# Altium PCB iTOP4412_main_Clasics_v3_2.PcbDoc (part 1 of 7) (continued)
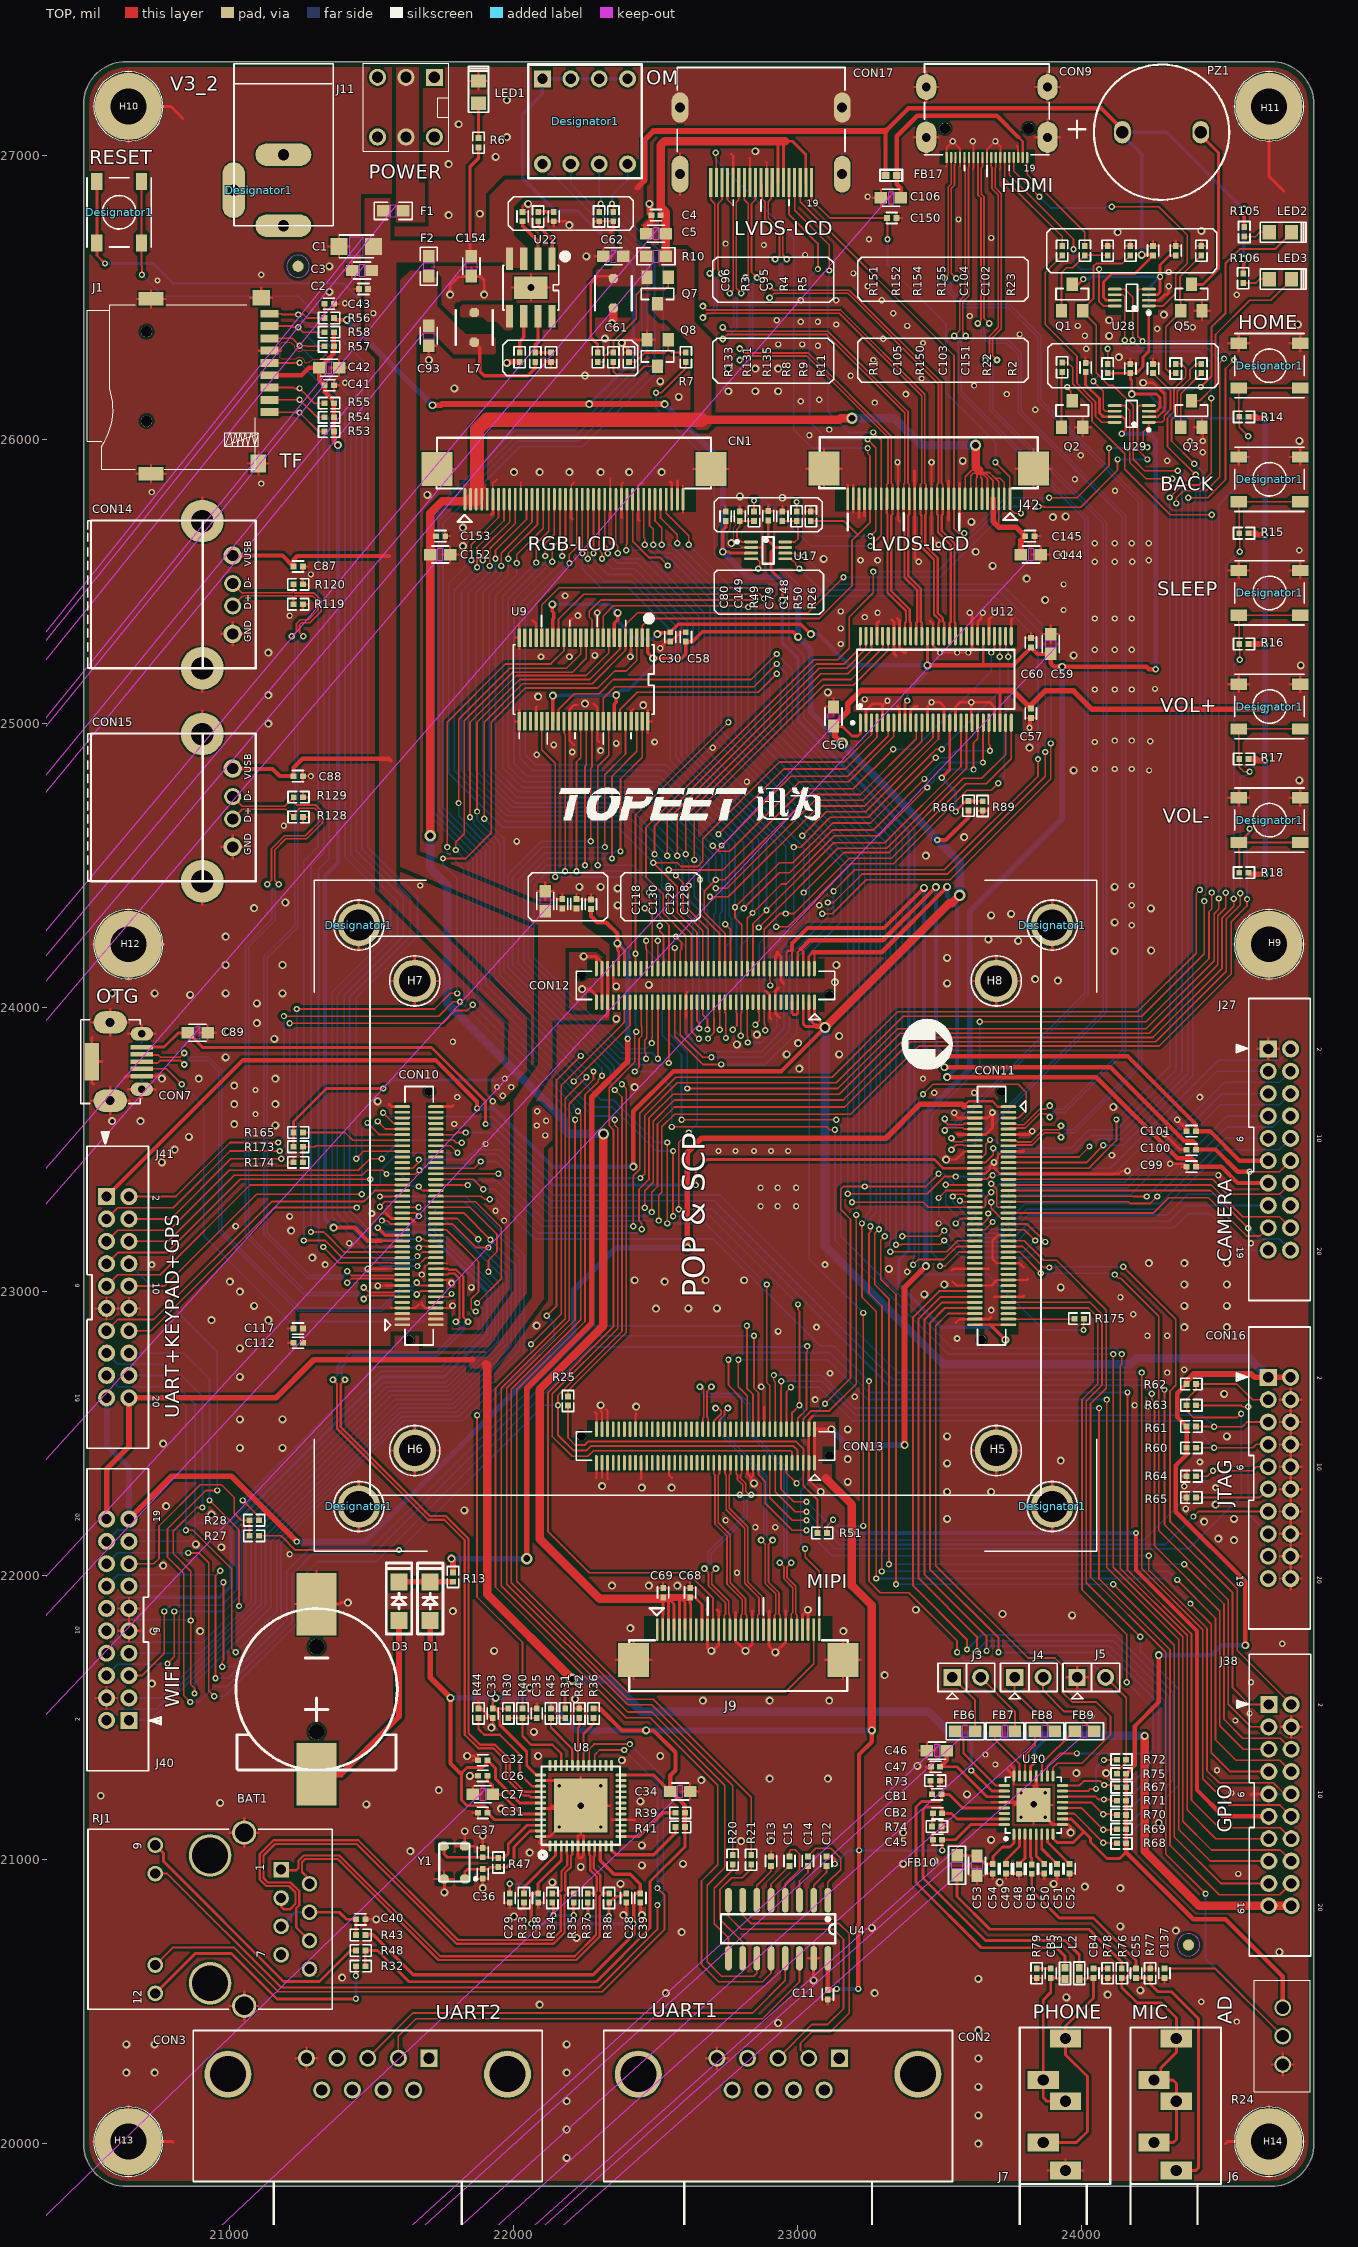
[diagram p0: TOP view]
## Components (designator, comment, footprint, x,y, rotation, side; value= is the part's Value field where it differs from the comment) (continued)
U4 "MAX3232EEAE_SOIC16_MAX3232CSE" SOIC16 22932.85,20755.57 r270 top
U8 "DM9621NP_1_QFN48-050-0707LH_DM9" QFN48-050-0707LH 22237.85,21190.57 r90 top
U9 "74ALVC164245DGG" TSSOP_48 22247.85,25155.57 r180 top
U10 "WM8960GEFL_0_QFN32-050-5X5LH_WM" QFN32-050-5X5LH 23831.63,21192.83 r90 top
U12 "U-SN75LVDS83BDGG_3_TSSOP56_GM82" TSSOP56 23487.85,25155.89 r0 top
U17 "TXS0102DCU_1_TSSOP8_TXS0102DCU" TSSOP8#1 22897.85,25610.57 r270 top
U22 "RT8065_3_SOIC8-LH_RT8065" SOIC8-LH 22062.85,26535.57 r180 top
U28 "TXS0102DCU_1_TSSOP8_TXS0102DCU" TSSOP8#2 24221.85,26483.82 r90 top
U29 "TXS0102DCU_1_TSSOP8_TXS0102DCU" TSSOP8#1 24177.85,26090.57 r90 top
Y1 "Y_24.576MHZ-5032_X4-2_5X3_2_25M" X4-2_5X3_2 21792.85,20990.57 r180 top

## Footprints (in the part's own frame and the unit in brackets; to place one, negate y for a bottom-side part, rotate by r counter-clockwise, add the part's x,y. Pads: shape width x height; smd on the part's side, far side on the other; paste and mask are expansions set on the pad)
A4B-2PA-2_54DSA [mil] "A4B-2PA-2_54DSA"
  rect 60x60 / inner round 60 / far side rect 60x60 hole 36: 1(-0.01,50)
  round 60 hole 36: 2(-0.01,-50)
  silkscreen extent -75,-100 50,100
BAT1 [mil] "BAT1"
  rect 220x140 smd: 1(300,0) 2(-300,0)
  round 55 / inner round 60 / far side round 55 hole 55: " "(-150,0) " "(150,0)
  silkscreen extent -284,-284 284,284
BMKG4 [mil] "BMKG4"
  round 60 hole 36: 1(-150,-150) 2(-50,-150) 3(50,-150) 4(150,-150) 5(150,150) 6(50,150) 7(-50,150)
  rect 60x60 / inner round 60 / far side rect 60x60 hole 36: 8(-150,150)
  silkscreen extent -200,-200 200,200
C0402#1 [mil] "C0402"
  rect 21x20 smd: 1(-16.5,0) 2(16.5,0)
  silkscreen extent -20,-20 20,20
C0402#2 [mil] "C0402"
  rect 21x20 smd: 1(-17.9,-2.5) 2(15.1,-2.5)
  silkscreen extent -21,-22 18,17
C0603#1 [mil] "C0603"
  rect 44x40 smd: 1(-35,0) 2(35,0)
  TOP keep-out region: -10,-20 10,-20 10,20 -10,20 -10,-20 21467.85,26595.57
  silkscreen extent -30,-30 30,30
C0603#2 [mil] "C0603"
  rect 44x40 smd: 1(-35,0) 2(35,0)
  TOP keep-out region: -10,-20 10,-20 10,20 -10,20 -10,-20 22502.85,26725.57
  silkscreen extent -30,-30 30,30
C0603#3 [mil] "C0603"
  rect 44x40 smd: 1(-35,0) 2(35,0)
  TOP keep-out region: -10,-20 10,-20 10,20 -10,20 -10,-20 21892.85,21230.57
  silkscreen extent -30,-30 30,30
C0603#4 [mil] "C0603"
  rect 44x40 smd: 1(-35,0) 2(35,0)
  TOP keep-out region: -10,-20 10,-20 10,20 -10,20 -10,-20 -22587.85,-21240.57
  silkscreen extent -30,-30 30,30
C0603#5 [mil] "C0603"
  rect 44x40 smd: 1(-35,0) 2(35,0)
  TOP keep-out region: -10,-20 10,-20 10,20 -10,20 -10,-20 23491.85,21384.57
  silkscreen extent -30,-30 30,30
C0603#6 [mil] "C0603"
  rect 44x40 smd: 1(-35,0) 2(35,0)
  TOP keep-out region: -10,-20 10,-20 10,20 -10,20 -10,-20 20979.57,-23632.85
  silkscreen extent -30,-30 30,30
C0603#7 [mil] "C0603"
  rect 44x40 smd: 1(-35,0) 2(35,0)
  TOP keep-out region: -10,-20 10,-20 10,20 -10,20 -10,-20 22352.85,26645.57
  silkscreen extent -30,-30 30,30
C0603#8 [mil] "C0603"
  rect 44x40 smd: 1(-35,0) 2(35,0)
  TOP keep-out region: -10,-20 10,-20 10,20 -10,20 -10,-20 20888.85,23911.57
  silkscreen extent -30,-30 30,30
C0603#9 [mil] "C0603"
  rect 44x40 smd: 1(-35,0) 2(35,0)
  TOP keep-out region: -10,-20 10,-20 10,20 -10,20 -10,-20 26365.57,-21702.85
  silkscreen extent -30,-30 30,30
C0603#10 [mil] "C0603"
  rect 44x40 smd: 1(-35,0) 2(35,0)
  TOP keep-out region: -10,-20 10,-20 10,20 -10,20 -10,-20 23329.85,26851.57
  silkscreen extent -30,-30 30,30
C0603#11 [mil] "C0603"
  rect 44x40 smd: 1(-35,0) 2(35,0)
  TOP keep-out region: -10,-20 10,-20 10,20 -10,20 -10,-20 26610.57,-21852.85
  silkscreen extent -30,-30 30,30
C1206 [mil] "C1206"
  rect 60x60 smd: 1(-60.98,0) 2(60.98,0)
  TOP keep-out region: -25,-32.52 25,-32.52 25,32.52 -25,32.52 -25,-32.52 21447.85,26680.57
  silkscreen extent -60,-40 60,40
CON2X40-0_5MM-BB [mil] "CON2X40-0_5MM-BB"
  oval 10x55 smd: 1(-383.86,59.06) 2(-383.86,-59.06) 3(-364.17,59.06) 4(-364.17,-59.06) 5(-344.49,59.06) 6(-344.49,-59.06) 7(-324.8,59.06) 8(-324.8,-59.06) 9(-305.12,59.06) 10(-305.12,-59.06) 11(-285.43,59.06) 12(-285.43,-59.06) 13(-265.75,59.06) 14(-265.75,-59.06) 15(-246.06,59.06) 16(-246.06,-59.06) 17(-226.38,59.06) 18(-226.38,-59.06) 19(-206.69,59.06) 20(-206.69,-59.06) 21(-187.01,59.06) 22(-187.01,-59.06) 23(-167.32,59.06) 24(-167.32,-59.06) 25(-147.64,59.06) 26(-147.64,-59.06) 27(-127.95,59.06) 28(-127.95,-59.06) 29(-108.27,59.06) 30(-108.27,-59.06) 31(-88.58,59.06) 32(-88.58,-59.06) 33(-68.9,59.06) 34(-68.9,-59.06) 35(-49.21,59.06) 36(-49.21,-59.06) 37(-29.53,59.06) 38(-29.53,-59.06) 39(-9.84,59.06) 40(-9.84,-59.06) 41(9.84,59.06) 42(9.84,-59.06) 43(29.53,59.06) 44(29.53,-59.06) 45(49.21,59.06) 46(49.21,-59.06) 47(68.9,59.06) 48(68.9,-59.06) 49(88.58,59.06) 50(88.58,-59.06) 51(108.27,59.06) 52(108.27,-59.06) 53(127.95,59.06) 54(127.95,-59.06) 55(147.64,59.06) 56(147.64,-59.06) 57(167.32,59.06) 58(167.32,-59.06) 59(187.01,59.06) 60(187.01,-59.06) 61(206.69,59.06) 62(206.69,-59.06) 63(226.38,59.06) 64(226.38,-59.06) 65(246.06,59.06) 66(246.06,-59.06) 67(265.75,59.06) 68(265.75,-59.06) 69(285.43,59.06) 70(285.43,-59.06) 71(305.12,59.06) 72(305.12,-59.06) 73(324.8,59.06) 74(324.8,-59.06) 75(344.49,59.06) 76(344.49,-59.06) 77(364.17,59.06) 78(364.17,-59.06) 79(383.86,59.06) 80(383.86,-59.06)
  round 32 / inner round 60 / far side round 32 hole 32: " "(-437.01,35.43) " "(437.01,-35.43)
  silkscreen extent -455,-50 455,120
D1206 [mil] "D1206"
  rect 60x60 smd: 1(70.49,0) 2(-65.49,0)
  silkscreen extent -132,-45 118,45
DSUB9-RA-FE [mil] "DSUB9-RA-FE"
  rect 60x60 / inner round 60 / far side rect 60x60 hole 40: 1(-168.11,215.75)
  round 60 hole 40: 2(-168.11,107.87) 3(-168.11,0) 4(-168.11,-107.87) 5(-168.11,-215.75) 6(-56.3,161.81) 7(-56.3,53.94) 8(-56.3,-53.94) 9(-56.3,-161.81)
  round 165.35 / inner round 60 / far side round 165.35 hole 125.98: 10(-112.2,492.13) 11(-112.2,-492.13)
  silkscreen extent -266,-614 510,614
EAR_JACK [mm] "EAR_JACK"
  rect 1.6x2.8 / inner round 1.524 / far side rect 1.6x2.8 hole 1: 1(8,-0.05) 2(-1.3,1.95) 3(4.3,1.95) 4(2.4,-0.05) 5(-3.8,-0.05)
  silkscreen extent -9,-4.05 9,4.05
FB0603#1 [mil] "FB0603"
  rect 44x40 smd: 1(-35,0) 2(35,0)
  TOP keep-out region: -10,-20 10,-20 10,20 -10,20 -10,-20 -23591.63,-21452.83
  silkscreen extent -67,-30 67,30
FB0603#2 [mil] "FB0603"
  rect 44x40 smd: 1(-35,0) 2(35,0)
  TOP keep-out region: -10,-20 10,-20 10,20 -10,20 -10,-20 20980.57,-23562.85
  silkscreen extent -67,-30 67,30
FPC30-050#1 [mil] "FPC30-050"
  oval 10x80 smd: 1(285.86,-89) 2(266.17,-89) 3(246.49,-89) 4(226.8,-89) 5(207.12,-89) 6(187.43,-89) 7(167.75,-89) 8(148.06,-89) 9(128.38,-89) 10(108.69,-89) 11(89.01,-89) 12(69.32,-89) 13(49.64,-89) 14(29.95,-89) 15(10.27,-89) 16(-9.42,-89) 17(-29.1,-89) 18(-48.79,-89) 19(-68.47,-89) 20(-88.16,-89) 21(-107.84,-89) 22(-127.53,-89) 23(-147.21,-89) 24(-166.9,-89) 25(-186.58,-89) 26(-206.27,-89) 27(-225.95,-89) 28(-245.64,-89) 29(-265.32,-89) 30(-285.01,-89)
  rect 110x120 smd: 31(-368.28,17.3) 32(369.28,17.3)
  silkscreen extent -385,-201 384,128
FPC30-050#2 [mil] "FPC30-050"
  oval 10x80 smd: 1(278.05,-89) 2(258.36,-89) 3(238.68,-89) 4(218.99,-89) 5(199.31,-89) 6(179.62,-89) 7(159.94,-89) 8(140.25,-89) 9(120.57,-89) 10(100.88,-89) 11(81.2,-89) 12(61.51,-89) 13(41.83,-89) 14(22.14,-89) 15(2.46,-89) 16(-17.23,-89) 17(-36.91,-89) 18(-56.6,-89) 19(-76.28,-89) 20(-95.97,-89) 21(-115.65,-89) 22(-135.34,-89) 23(-155.02,-89) 24(-174.71,-89) 25(-194.39,-89) 26(-214.08,-89) 27(-233.76,-89) 28(-253.45,-89) 29(-273.13,-89) 30(-292.82,-89)
  rect 110x120 smd: 31(-376.09,17.3) 32(361.47,17.3)
  silkscreen extent -393,-201 376,128
FPC40-050 [mil] "FPC40-050"
  oval 10x80 smd: 1(-382.81,-90.55) 2(-363.13,-90.55) 3(-343.44,-90.55) 4(-323.76,-90.55) 5(-304.08,-90.55) 6(-284.39,-90.55) 7(-264.7,-90.55) 8(-245.02,-90.55) 9(-225.33,-90.55) 10(-205.65,-90.55) 11(-185.97,-90.55) 12(-166.28,-90.55) 13(-146.6,-90.55) 14(-126.91,-90.55) 15(-107.22,-90.55) 16(-87.54,-90.55) 17(-67.85,-90.55) 18(-48.17,-90.55) 19(-28.49,-90.55) 20(-8.8,-90.55) 21(10.89,-90.55) 22(30.57,-90.55) 23(50.26,-90.55) 24(69.94,-90.55) 25(89.63,-90.55) 26(109.31,-90.55) 27(129,-90.55) 28(148.68,-90.55) 29(168.37,-90.55) 30(188.05,-90.55) 31(207.74,-90.55) 32(227.42,-90.55) 33(247.11,-90.55) 34(266.79,-90.55) 35(286.48,-90.55) 36(306.16,-90.55) 37(325.85,-90.55) 38(345.53,-90.55) 39(365.22,-90.55) 40(384.9,-90.55)
  rect 110x120 smd: 41(-481.24,15.75) 42(483.33,15.75)
  silkscreen extent -483,-171 483,126
HDMI-C [mm] "HDMI-C"
  oval 0.203x1.016 smd: 1(-3.6,-3.982) 2(-3.2,-3.982) 3(-2.8,-3.982) 4(-2.4,-3.982) 5(-2,-3.982) 6(-1.6,-3.982) 7(-1.2,-3.982) 8(-0.8,-3.982) 9(-0.4,-3.982) 10(0,-3.982) 11(0.4,-3.982) 12(0.8,-3.982) 13(1.2,-3.982) 14(1.6,-3.982) 15(2,-3.982) 16(2.4,-3.982) 17(2.8,-3.982) 18(3.2,-3.982) 19(3.6,-3.982)
  oval 1.8x2.8 / inner round 1.524 / far side oval 1.8x2.8 hole 0.8: 20(-5.425,-2.182) 21(5.425,-2.182)
  oval 1.8x2.3 / inner round 1.524 / far side oval 1.8x2.3 hole 0.8: 22(-5.425,2.317) 23(5.425,2.317)
  round 1 / inner round 1.524 / far side round 1 hole 1: " "(-3.75,-1.382) " "(3.75,-1.382)
  silkscreen extent -5.59,-5.68 5.59,4.38
HDRMS2MM-2X10 [mil] "HDRMS2MM-2X10"
  rect 60x60 / inner round 60 / far side rect 60x60 hole 36: 1(-354.33,-39.37)
  round 60 hole 36: 2(-354.33,39.37) 3(-275.59,-39.37) 4(-275.59,39.37) 5(-196.85,-39.37) 6(-196.85,39.37) 7(-118.11,-39.37) 8(-118.11,39.37) 9(-39.37,-39.37) 10(-39.37,39.37) 11(39.37,-39.37) 12(39.37,39.37) 13(118.11,-39.37) 14(118.11,39.37) 15(196.85,-39.37) 16(196.85,39.37) 17(275.59,-39.37) 18(275.59,39.37) 19(354.33,-39.37) 20(354.33,39.37)
  silkscreen extent -531,-151 531,108
HOLE2_7 [mil] "HOLE2_7"
  round 150 / inner round 60 / far side round 150 hole 110: 1(0,0)
  silkscreen extent -88,-88 88,88
HOLE3_2X6 [mil] "HOLE3_2X6"
  round 236 / inner round 60 / far side round 236 hole 126: 1(0,0)
  silkscreen extent -122,-122 122,122
JACK-2_5MM_B [mm] "JACK-2_5MM_B"
  oval 5x2 / inner round 1.524 / far side oval 5x2 hole 1: 1(0,-7.239) 2(0,-0.889)
  oval 2x5 / inner round 1.524 / far side oval 2x5 hole 1: 3(-4.445,-4.064)
  silkscreen extent -4.42,-7.24 4.47,7.24
L3X3MM [mm] "L3X3MM"
  oct 0.846x0.846 smd rot 93: 1(-1.325,0) 2(1.325,0)
  silkscreen extent -1.55,-1.65 1.55,1.65
L0402 [mm] "L0402"
  rect 0.7x0.6 smd: 1(-0.5,0) 2(0.5,0)
  silkscreen extent -1,-0.5 1,0.5
LED-2012 [mm] "LED-2012"
  rect 1.2x1.3 smd: 1(-1.05,0) 2(0.95,0)
  silkscreen extent -1.85,-0.9 2.25,0.9
MD60-19P [mm] "MD60-19P"
  rect 0.28x2.6 smd: 1(4.5,3.61) 2(4,3.61) 3(3.5,3.61) 4(3,3.61) 5(2.5,3.61) 6(2,3.61) 7(1.5,3.61) 8(1,3.61) 9(0.5,3.61) 10(0,3.61) 11(-0.5,3.61) 12(-1,3.61) 13(-1.5,3.61) 14(-2,3.61) 15(-2.5,3.61) 16(-3,3.61) 17(-3.5,3.61) 18(-4,3.61) 19(-4.5,3.61)
  oval 1.5x3.3 / inner round 1.524 / far side oval 1.5x3.3 hole 0.9: 20(-7.25,2.85) 22(7.25,2.85)
  oval 1.5x2.7 / inner round 1.524 / far side oval 1.5x2.7 hole 0.9: 21(-7.25,-3.11) 23(7.25,-3.11)
  silkscreen extent -7.5,-6.7 7.5,6.15
MICROUSB-B-H4 [mm] "MICROUSB-B-H4"
  rect 2x0.4 smd: 1(1.83,1.3) 2(1.83,0.65) 3(1.83,0) 4(1.83,-0.65) 5(1.83,-1.3)
  oval 2x1.2 / inner round 1.524 / far side oval 2x1.2 hole 0.65: 6(1.83,2.475) 7(1.83,-2.475)
  oval 3x2 / inner round 1.524 / far side oval 3x2 hole 0.8: 8(-0.995,3.5) 9(-0.995,-3.5)
  rect 1.3x3.35 smd: 10(-2.65,0)
  silkscreen extent -3.62,-3.75 4.18,3.75
QFN32-050-5X5LH [mil] "QFN32-050-5X5LH"
  oval 40x10 smd: 1(-102.36,68.9) 2(-102.36,49.21) 3(-102.36,29.53) 4(-102.36,9.84) 5(-102.36,-9.84) 6(-102.36,-29.53) 7(-102.36,-49.21) 8(-102.36,-68.9) 17(102.36,-68.9) 18(102.36,-49.21) 19(102.36,-29.53) 20(102.36,-9.84) 21(102.36,9.84) 22(102.36,29.53) 23(102.36,49.21) 24(102.36,68.9)
  oval 10x40 smd: 9(-68.9,-102.36) 10(-49.21,-102.36) 11(-29.53,-102.36) 12(-9.84,-102.36) 13(9.84,-102.36) 14(29.53,-102.36) 15(49.21,-102.36) 16(68.9,-102.36) 25(68.9,102.36) 26(49.21,102.36) 27(29.53,102.36) 28(9.84,102.36) 29(-9.84,102.36) 30(-29.53,102.36) 31(-49.21,102.36) 32(-68.9,102.36)
  rect 120x120 smd: 33(0,0)
  silkscreen extent -123,-98 98,101
QFN48-050-0707LH [mil] "QFN48-050-0707LH"
  oval 40x10 smd: 1(-141.73,108.27) 2(-141.73,88.58) 3(-141.73,68.9) 4(-141.73,49.21) 5(-141.73,29.53) 6(-141.73,9.84) 7(-141.73,-9.84) 8(-141.73,-29.53) 9(-141.73,-49.21) 10(-141.73,-68.9) 11(-141.73,-88.58) 12(-141.73,-108.27) 25(141.73,-108.27) 26(141.73,-88.58) 27(141.73,-68.9) 28(141.73,-49.21) 29(141.73,-29.53) 30(141.73,-9.84) 31(141.73,9.84) 32(141.73,29.53) 33(141.73,49.21) 34(141.73,68.9) 35(141.73,88.58) 36(141.73,108.27)
  oval 10x40 smd: 13(-108.27,-141.73) 14(-88.58,-141.73) 15(-68.9,-141.73) 16(-49.21,-141.73) 17(-29.53,-141.73) 18(-9.84,-141.73) 19(9.84,-141.73) 20(29.53,-141.73) 21(49.21,-141.73) 22(68.9,-141.73) 23(88.58,-141.73) 24(108.27,-141.73) 37(108.27,141.73) 38(88.58,141.73) 39(68.9,141.73) 40(49.21,141.73) 41(29.53,141.73) 42(9.84,141.73) 43(-9.84,141.73) 44(-29.53,141.73) 45(-49.21,141.73) 46(-68.9,141.73) 47(-88.58,141.73) 48(-108.27,141.73)
  rect 190x190 smd: 49(0,0)
  silkscreen extent -184,-138 138,145
R0402 [mil] "R0402"
  rect 21x20 smd: 1(-16.5,0) 2(16.5,0)
  silkscreen extent -37,-20 37,20
R0603#1 [mil] "R0603"
  rect 44x40 smd: 1(-35,0) 2(35,0)
  TOP keep-out region: -10,-20 10,-20 10,20 -10,20 -10,-20 21577.85,26805.57
  silkscreen extent -67,-30 67,30
R0603#2 [mil] "R0603"
  rect 44x40 smd: 1(-35,0) 2(35,0)
  TOP keep-out region: -10,-20 10,-20 10,20 -10,20 -10,-20 26610.57,-21702.85
  silkscreen extent -67,-30 67,30
R0603#3 [mil] "R0603"
  rect 44x40 smd: 1(-35,0) 2(35,0)
  TOP keep-out region: -10,-20 10,-20 10,20 -10,20 -10,-20 -22502.85,-26645.57
  silkscreen extent -67,-30 67,30
RJ8-SRLBY [mil] "RJ8-SRLBY"
  rect 55x55 / inner round 60 / far side rect 55x55 hole 36: 1(175,-250)
  round 55 / inner round 60 / far side round 55 hole 36: 2(125,-350) 3(75,-250) 4(25,-350) 5(-25,-250) 6(-75,-350) 7(-125,-250) 8(-175,-350) 9(260.98,192.99) 10(160.98,192.99) 11(-160.98,192.99) 12(-260.98,192.99)
  round 85 / inner round 60 / far side round 80 hole 65: 13(305,-120) 14(-305,-120)
  round 150 / inner round 60 / far side round 150 hole 126: " "(-225,0) " "(225,0)
  silkscreen extent -317,-430 317,430
SOIC8-LH [mil] "SOIC8-LH"
  rect 25x80 smd: 1(-74.5,-101.06) 2(-24.5,-101.06) 3(25.5,-101.06) 4(75.5,-101.06) 5(75.5,101.06) 6(25.5,101.06) 7(-24.5,101.06) 8(-74.5,101.06)
  rect 118.11x78.74 smd: 9(0.5,0)
  silkscreen extent -131,-121 99,79
SOIC16 [mm] "SOIC16"
  oval 2.2x0.6 smd: 1(-2.6,4.445) 2(-2.6,3.175) 3(-2.6,1.905) 4(-2.6,0.635) 5(-2.6,-0.635) 6(-2.6,-1.905) 7(-2.6,-3.175) 8(-2.6,-4.445) 9(2.6,-4.445) 10(2.6,-3.175) 11(2.6,-1.905) 12(2.6,-0.635) 13(2.6,0.635) 14(2.6,1.905) 15(2.6,3.175) 16(2.6,4.445)
  silkscreen extent -1.35,-5.1 1.25,5.1
SOT-23 [mm] "SOT-23"
  rect 1x1.2 smd: 1(0.952,1.175) 2(-0.953,1.175) 3(-0.013,-1.175)
  silkscreen extent -1.46,-0.81 1.44,0.21
SPEAKER [mm] "SPEAKER"
  oval 1.5x2 / inner round 1.524 / far side oval 1.5x2 hole 1.1: +(-3.504,0) -(3.504,0)
  silkscreen extent -8.32,-6.05 6.05,6.05
SR2_54 [mm] "SR2_54"
  round 1.5 / inner round 1.524 / far side round 1.5 hole 1.1: 1(-2.54,-0.04) 2(0,-0.04) 3(2.54,-0.04)
  silkscreen extent -5,-2.5 5,2.5
SW4-SMD [mm] "SW4-SMD"
  rect 1.5x1 smd: 1(-2.75,-2) 2(2.75,-2) 3(2.75,2) 4(-2.75,2)
  silkscreen extent -3.1,-2.87 3.1,2.87
SWITCH_DDSZ [mil] "SWITCH_DDSZ"
  rect 60x60 / inner round 60 / far side rect 60x60 hole 40: 1(-99.65,-105.33)
  round 60 hole 40: 2(0.35,-105.33) 3(100.35,-105.33) 4(100.35,104.67) 5(0.35,104.67) 6(-99.65,104.67)
  silkscreen extent -150,-155 150,155
TF-CARD [mil] "TF-CARD"
  rect 63x28 smd: 1(-214.57,88.58) 2(-214.57,45.28) 3(-214.57,1.97) 4(-214.57,-41.34) 5(-214.57,-84.64) 6(-214.57,-127.95) 7(-214.57,-171.26) 8(-214.57,-214.57) 9(-214.57,-257.87)
  rect 63x55 smd: 10(-185.19,-314.12)
  rect 87x47 smd: 11(202.75,-310.12) 13(202.75,305.12)
  rect 55x63 smd: 12(-175.19,269.69)
  round 39.37 / inner round 60 / far side round 39.37 hole 39.37: " "(218.5,120.08) " "(218.5,-194.88)
  silkscreen extent -291,-289 20928,26186
TSSOP8#1 [mm] "TSSOP8"
  oval 0.25x1.25 smd: 1(-0.75,-1.525) 2(-0.25,-1.525) 3(0.25,-1.525) 4(0.75,-1.525) 5(0.75,1.525) 6(0.25,1.525) 7(-0.25,1.525) 8(-0.75,1.525)
  silkscreen extent -1.2,-2.92 1.2,0.5
TSSOP8#2 [mm] "TSSOP8"
  oval 0.25x1.25 smd: 1(-0.325,-0.412) 2(0.176,-0.412) 3(0.675,-0.412) 4(1.176,-0.412) 5(1.176,2.638) 6(0.675,2.638) 7(0.176,2.638) 8(-0.325,2.638)
  silkscreen extent -1.12,-0.54 1.63,1.61
TSSOP56 [mm] "TSSOP56"
  oval 0.27x1.65 smd: 1(-6.75,-3.875) 2(-6.25,-3.875) 3(-5.75,-3.875) 4(-5.25,-3.875) 5(-4.75,-3.875) 6(-4.25,-3.875) 7(-3.75,-3.875) 8(-3.25,-3.875) 9(-2.75,-3.875) 10(-2.25,-3.875) 11(-1.75,-3.875) 12(-1.25,-3.875) 13(-0.75,-3.875) 14(-0.25,-3.875) 15(0.25,-3.875) 16(0.75,-3.875) 17(1.25,-3.875) 18(1.75,-3.875) 19(2.25,-3.875) 20(2.75,-3.875) 21(3.25,-3.875) 22(3.75,-3.875) 23(4.25,-3.875) 24(4.75,-3.875) 25(5.25,-3.875) 26(5.75,-3.875) 27(6.25,-3.875) 28(6.75,-3.875) 29(6.75,3.875) 30(6.25,3.875) 31(5.75,3.875) 32(5.25,3.875) 33(4.75,3.875) 34(4.25,3.875) 35(3.75,3.875) 36(3.25,3.875) 37(2.75,3.875) 38(2.25,3.875) 39(1.75,3.875) 40(1.25,3.875) 41(0.75,3.875) 42(0.25,3.875) 43(-0.25,3.875) 44(-0.75,3.875) 45(-1.25,3.875) 46(-1.75,3.875) 47(-2.25,3.875) 48(-2.75,3.875) 49(-3.25,3.875) 50(-3.75,3.875) 51(-4.25,3.875) 52(-4.75,3.875) 53(-5.25,3.875) 54(-5.75,3.875) 55(-6.25,3.875) 56(-6.75,3.875)
  silkscreen extent -7.56,-4 7.05,2.65
TSSOP_48 [mil] "TSSOP_48"
  rect 12x65 smd: 1(-226.38,-147.64) 2(-206.69,-147.64) 3(-187.01,-147.64) 4(-167.32,-147.64) 5(-147.64,-147.64) 6(-127.95,-147.64) 7(-108.27,-147.64) 8(-88.58,-147.64) 9(-68.9,-147.64) 10(-49.21,-147.64) 11(-29.53,-147.64) 12(-9.84,-147.64) 13(9.84,-147.64) 14(29.53,-147.64) 15(49.21,-147.64) 16(68.9,-147.64) 17(88.58,-147.64) 18(108.27,-147.64) 19(127.95,-147.64) 20(147.64,-147.64) 21(167.32,-147.64) 22(187.01,-147.64) 23(206.69,-147.64) 24(226.38,-147.64) 25(226.38,147.64) 26(206.69,147.64) 27(187.01,147.64) 28(167.32,147.64) 29(147.64,147.64) 30(127.95,147.64) 31(108.27,147.64) 32(88.58,147.64) 33(68.9,147.64) 34(49.21,147.64) 35(29.53,147.64) 36(9.84,147.64) 37(-9.84,147.64) 38(-29.53,147.64) 39(-49.21,147.64) 40(-68.9,147.64) 41(-88.58,147.64) 42(-108.27,147.64) 43(-127.95,147.64) 44(-147.64,147.64) 45(-167.32,147.64) 46(-187.01,147.64) 47(-206.69,147.64) 48(-226.38,147.64)
  silkscreen extent -248,-226 248,228
USB-A2 [mil] "USB-A2"
  round 65 / inner round 60 / far side round 65 hole 39.37: 1(136.5,-214.5) 4(-139.1,-214.5)
  round 60 hole 39.37: 2(37.9,-214.5) 3(-40.6,-214.5)
  round 150 / inner round 60 / far side round 150 hole 78.74: 5(257.9,-107.5) 6(-260.1,-107.5)
  silkscreen extent -260,-296 260,296
X4-2_5X3_2 [mil] "X4-2_5X3_2"
  oct 33.3x33.3 smd rot 3: 1(-36.54,57.68) 2(-36.54,-57.68) 3(36.54,-57.68) 4(36.54,57.68)
  silkscreen extent -80,-67 53,67

## Free pads (board coordinates)
  round 39.37 smd: ""(21242.85,26610.57)
  round 39.37 all layers, no hole: ""(24377.85,20700.57)

## Via types
v1: diameter 22, hole 12, TOP to BOTTOM, 637 vias
v2: diameter 28, hole 16, TOP to BOTTOM, 350 vias
v3: diameter 24, hole 12, TOP to BOTTOM, 111 vias
v4: diameter 40, hole 24, TOP to BOTTOM, 12 vias

## Nets (pads, with @x,y where several pads share a name; then routed paths per layer and width w, separated by ;. In a path a pad name is that pad's centre, name@x,y a point inside that pad or via, vN(x,y) a via of type N, cw(c..) or ccw(c..) an arc to the next point about the centre after c; other vN are vias at no path point)
6260_GPIO1: CON10.69 J41.10 | length 1353.4
  TOP w6: J41.10@20647.22,23020.26 20773.54,23020.26 21096.5,23343.21 v1(21467.21,23343.21) ; v1(21486.85,23594.57) 21527.85,23553.57 21573.15,23553.57 21573.4,23553.32 CON10.69@21609.9,23553.32
  BOTTOM w6: v1(21467.21,23343.21) 21467.21,23574.93 v1(21486.85,23594.57)
6260_GPIO2: CON11.5 R175.1 | length 1857.9
  TOP w6: v1(23442.85,23695.57) 23477.85,23730.57 23777.85,23730.57 23806.61,23701.81 23806.61,23638.73 23780.26,23612.38 CON11.5@23743.76,23612.38 ; v1(24007.85,22865.57) 24007.85,22885.07 24009.35,22886.57 R175.1@24009.35,22905.57
  BOTTOM w6: v1(23442.85,23695.57) 23427.85,23680.57 23427.85,23080.57 23447.85,23060.57 23672.85,23060.57 23867.85,22865.57 v1(24007.85,22865.57)
ACOKB_CHARGER: CON10.65 R173.1 R174.2 | length 406.9
  TOP w6: R174.2@21259.35,23455.57 R173.1@21259.35,23510.57 21302.85,23510.57 21306.24,23513.95 CON10.65@21609.9,23513.95
AP_SLEEP: CON12.67 R4.2 | length 4340.2
  TOP w6: v1(22212.85,23740.57) 22411.08,23938.8 CON12.67@22411.08,24019.86 ; R4.2@22302.85,26802.07 22302.85,26821.57 22307.85,26826.57 v1(22307.85,26830.57)
  BOTTOM w6: v1(22212.85,23740.57) 21887.85,24065.57 21887.85,24545.57 21737.85,24695.57 21737.85,25715.57 22017.85,25995.57 22232.85,25995.57 22497.85,26260.57 22497.85,26640.57 v1(22307.85,26830.57) 22307.85,26855.57 22302.85,26860.57 22302.85,26970.57
AP_WAKEUP_MD: CON12.68
BGF_INT: CON13.24 J40.14 | length 3665.8
  TOP w6: v1(20951.85,21639.57) 20951.85,22000.57 v1(20968.85,22017.57) ; v1(22822.85,22880.57) 22822.85,22660.57 22844.15,22639.28 CON13.24@22844.15,22515.93
  BOTTOM w6: J40.14@20568.48,21963.68 20608.22,22003.42 20954.7,22003.42 v1(20968.85,22017.57) ; v1(20951.85,21639.57) 20996.85,21639.57 21202.85,21845.57 21202.85,22015.57 21285.35,22098.07 21500.35,22098.07 22282.85,22880.57 v1(22822.85,22880.57)
BK_LED: CON12.52 J38.5 | length 4461.1
  TOP w6: CON12.52@22568.56,24137.98 22568.56,24174.48 22568.88,24174.8 v1(22568.88,24210.57) ; v1(22582.85,23290.57) 22582.85,23525.57 v1(22617.85,23560.57) ; v1(24247.85,22640.57) 24247.85,22621.57 24257.85,22611.57 24257.85,22105.57 24487.85,21875.57 24487.85,21472.57 24571,21389.42 J38.5@24660.48,21389.42
  BOTTOM w6: v1(22568.88,24210.57) 22568.88,23919.54 22647.85,23840.57 22647.85,23590.57 v1(22617.85,23560.57) ; v1(22582.85,23290.57) 22702.85,23290.57 23322.85,22670.57 24217.85,22670.57 v1(24247.85,22640.57)
BT_RST: CON10.34
BUF_GPC1_1: J38.8 U9.11 | length 6307.4
  TOP w6: U9.11@22277.38,25303.21 22277.38,25366.34 22267.85,25375.87 22267.85,25395.57 22307.85,25435.57 v1(22852.85,25435.57) ; v1(23257.85,23230.57) 23257.85,23211.57 23252.85,23206.57 23252.85,22995.57 23298.35,22950.07 23298.35,22085.07 23297.85,22084.57 v1(23297.85,22015.57) ; v1(24337.85,21985.57) 24472.85,21850.57 24472.85,21422.57 24545,21350.42 24699.48,21350.42 J38.8@24739.22,21310.68
  BOTTOM w6: v1(22852.85,25435.57) 22852.85,24980.57 23277.85,24555.57 23277.85,23280.57 23257.85,23260.57 v1(23257.85,23230.57) ; v1(23297.85,22015.57) 24307.85,22015.57 v1(24337.85,21985.57)
BUF_GPS_RST: J41.4 U9.3 | length 3537.1
  TOP w6: J41.4@20647.22,23256.48 20793.76,23256.48 21005.4,23468.11 v1(21183.35,23468.11) ; v1(21237.85,23995.57) 21722.85,23995.57 21777.85,24050.57 v1(21802.85,24050.57) ; v1(21752.85,24525.57) 21832.85,24525.57 21922.85,24615.57 21922.85,25005.57 22042.85,25125.57 22297.85,25125.57 22357.85,25185.57 22397.85,25185.57 22434.87,25222.58 U9.3@22434.87,25303.21
  BOTTOM w6: v1(21183.35,23468.11) 21237.85,23522.62 v1(21237.85,23995.57)
  BOTTOM w7: v1(21752.85,24525.57) 21752.85,24505.57 21802.85,24455.57 v1(21802.85,24050.57)
BUF_GPS_RXD: J41.3 R21.1 U9.12 | length 7130.9
  TOP w6: J41.3@20568.48,23256.48 20607.48,23295.48 20802.76,23295.48 21002.85,23495.57 v1(21177.85,23495.57) ; v1(21212.85,23945.57) 21751.85,23945.57 21796.85,23990.57 21837.85,23990.57 v1(21857.85,24010.57) ; v1(21797.85,24555.57) 21797.85,24582.13 21827.85,24612.13 21827.85,25010.57 21998.85,25181.57 22208.85,25181.57 22257.69,25230.41 U9.12@22257.69,25303.21 ; v1(22227.85,23635.57) 22237.85,23625.57 22237.85,22901.82 21992.85,22656.82 21992.85,21975.57 22402.85,21565.57 22492.85,21565.57 22837.85,21220.57 R21.1@22837.85,21017.07
  BOTTOM w6: v1(21177.85,23495.57) 21212.85,23530.57 v1(21212.85,23945.57) ; v1(21797.85,24555.57) 21842.85,24510.57 21842.85,24025.57 v1(21857.85,24010.57) 22214.42,23654.01 22214.42,23649.01 v1(22227.85,23635.57)
BUF_GPS_TXD: J41.2 R20.1 U9.16 | length 6924.8
  TOP w6: J41.2@20647.22,23335.22 20812.5,23335.22 21002.85,23525.57 v1(21172.85,23525.57) ; v1(21192.85,23970.57) 21737.85,23970.57 21788.23,24020.95 v1(21812.85,24020.95) ; v1(21767.85,24565.57) 21767.85,25005.57 21972.85,25210.57 22132.85,25210.57 22178.95,25256.67 U9.16@22178.95,25303.21 ; v1(22217.85,23605.57) 22217.85,22900.57 21977.85,22660.57 21977.85,21970.57 22402.85,21545.57 22487.85,21545.57 22772.85,21260.57 R20.1@22772.85,21017.07
  BOTTOM w6: v1(21172.85,23525.57) 21192.85,23545.57 v1(21192.85,23970.57) ; v1(21767.85,24565.57) 21767.85,24546.57 21826.29,24488.13 21826.29,24034.38 v1(21812.85,24020.95) 22204.42,23629.38 22204.42,23619.01 v1(22217.85,23605.57)
BUF_I2C_SCL6: J38.7 U9.9 | length 6164.2
  TOP w6: U9.9@22316.76,25303.21 22316.76,25379.47 22352.85,25415.57 22803.85,25415.57 22808.85,25410.57 v1(22827.85,25410.57) ; v1(23227.85,23240.57) 23227.85,22980.57 23277.85,22930.57 v1(23277.85,21990.57) ; v1(24384.5,21902.21) 24457.85,21828.86 24457.85,21377.57 24524.74,21310.68 J38.7@24660.48,21310.68
  BOTTOM w6: v1(22827.85,25410.57) 22827.85,24975.57 23257.85,24545.57 23257.85,23285.57 23256.11,23283.83 23256.11,23283.74 23241.29,23268.92 23241.29,23254.01 v1(23227.85,23240.57) ; v1(23277.85,21990.57) 24287.65,21990.57 24296.14,21990.57 v1(24384.5,21902.21)
BUF_I2C_SDA6: J38.6 U9.17 | length 6353.1
  TOP w6: U9.17@22159.28,25303.21 22159.28,25366.99 22247.85,25455.57 22867.85,25455.57 v1(22882.85,25440.57) ; v1(23287.85,23220.57) 23272.85,23205.57 23272.85,23025.57 23322.85,22975.57 v1(23322.85,22040.57) ; v1(24362.85,22040.57) 24379.85,22023.57 24380.11,22023.57 24502.85,21900.83 24502.85,21494.57 24569,21428.42 24700.22,21428.42 J38.6@24739.22,21389.42
  BOTTOM w6: v1(22882.85,25440.57) 22882.85,24980.57 23292.85,24570.57 23292.85,23250.57 23287.85,23245.57 v1(23287.85,23220.57) ; v1(23322.85,22040.57) v1(24362.85,22040.57)
BUF_PWRDN_VCM: R40.2 U9.6 | length 4513.4
  TOP w6: v1(21872.85,22565.57) 21872.85,21925.57 22032.85,21765.57 R40.2@22032.85,21532.07 ; v1(21872.85,24690.57) 21872.85,25005.57 22022.85,25155.57 22269.66,25155.57 22375.8,25261.71 U9.6@22375.8,25303.21 ; v1(22117.85,22915.57) 22152.85,22950.57 22152.85,23745.57 v1(22237.85,23830.57)
  BOTTOM w6: v1(21872.85,22565.57) 22142.85,22835.57 22142.85,22890.57 v1(22117.85,22915.57) ; v1(21872.85,24690.57) 21872.85,24662.28 21952.85,24582.28 21952.85,24115.57 v1(22237.85,23830.57)
BUF_TP_IOCTL: CON17.2 J42.26 R26.2 U9.2 | length 3020.9
  TOP w6: U9.2@22454.54,25303.21 22454.54,25344.71 22480.4,25370.57 23077.85,25370.57 23192.85,25485.57 23192.85,25645.57 23212.85,25665.57 ; v1(22712.85,27010.57) 22712.85,26991.57 22715.37,26989.05 CON17.2@22715.37,26904.84 ; R26.2@23047.85,25714.07 23164.35,25714.07 23212.85,25665.57 ; v1(23247.85,25970.57) 23247.85,25951.57 23256.59,25942.84 J42.26@23256.59,25791.89 23256.59,25709.3 23212.85,25665.57
  BOTTOM w6: v1(22712.85,27010.57) 22712.85,26985.57 22987.85,26710.57 22987.85,26035.57 23052.85,25970.57 v1(23247.85,25970.57)
BUF_XPWMTOUT1: C150.1 CON17.19 J9.29 J42.1 U9.5 | length 8538.2
  TOP w6: v1(21897.85,24665.57) 21897.85,25005.57 22032.85,25140.57 22277.85,25140.57 22395.5,25258.21 U9.5@22395.5,25303.21 22395.5,25348.21 22437.85,25390.57 23037.85,25390.57 v1(23162.85,25515.57) ; v1(22312.85,23760.57) 22299.42,23747.13 22299.42,23740.08 22252.85,23693.52 22252.85,22895.57 22012.85,22655.57 22012.85,21980.57 22402.85,21590.57 22957.85,21590.57 23058.18,21690.89 J9.29@23058.18,21810.57 ; CON17.19@23050.02,26904.84 23050.02,26844.66 23114.11,26780.57 C150.1@23316.35,26780.57 23316.35,26761.57 23317.85,26760.07 v1(23317.85,26705.57) ; v1(23697.85,25920.57) 23748.71,25869.71 J42.1@23748.71,25791.89 23748.71,25756.89 23765.03,25740.57 v1(23787.85,25740.57)
  BOTTOM w6: v1(21897.85,24665.57) 21967.85,24595.57 21967.85,24130.57 22312.85,23785.57 v1(22312.85,23760.57) ; v1(23162.85,25515.57) 23502.85,25515.57 23727.85,25740.57 v1(23787.85,25740.57) ; v1(23317.85,26705.57) 23317.85,26613.57 23522.85,26408.57 23522.85,26165.57 23697.85,25990.57 v1(23697.85,25920.57)
BUF_XURXD1: J38.17 U9.20 | length 6786
  TOP w6: U9.20@22100.21,25303.21 22100.21,25417.93 22161.29,25479.01 22889.42,25479.01 v1(22902.85,25465.57) ; v1(23307.85,23195.57) 23294.42,23182.13 23294.42,23044.01 23347.85,22990.57 v1(23347.85,21970.57) ; v1(24112.85,21970.57) 24327.85,21755.57 24327.85,21080.57 24491.44,20916.98 J38.17@24660.48,20916.98
  BOTTOM w6: v1(22902.85,25465.57) 22902.85,24990.57 23311.29,24582.13 23311.29,23219.01 23307.85,23215.57 v1(23307.85,23195.57) ; v1(23347.85,21970.57) v1(24112.85,21970.57)
BUF_XURXD2/UART_AUDIO_RXD: U4.12 U9.13 | length 6019.6
  TOP w6: v1(21807.85,24720.57) 21807.85,25015.57 21987.85,25195.57 22187.85,25195.57 22238.01,25245.73 U9.13@22238.01,25303.21 ; v1(22257.85,23755.57) 22182.85,23680.57 22182.85,22905.57 21937.85,22660.57 21937.85,21960.57 22397.85,21500.57 22482.85,21500.57 22720.35,21263.07 22720.35,20983.07 22662.85,20925.57 22662.85,20630.57 22722.85,20570.57 22877.85,20570.57 22907.85,20600.57 U4.12@22907.85,20653.21
  BOTTOM w6: v1(21807.85,24720.57) 21807.85,24675.57 21917.85,24565.57 21917.85,24095.57 v1(22257.85,23755.57)